# Altium PCB PCB22.PcbDoc (part 8 of 16) (continued)
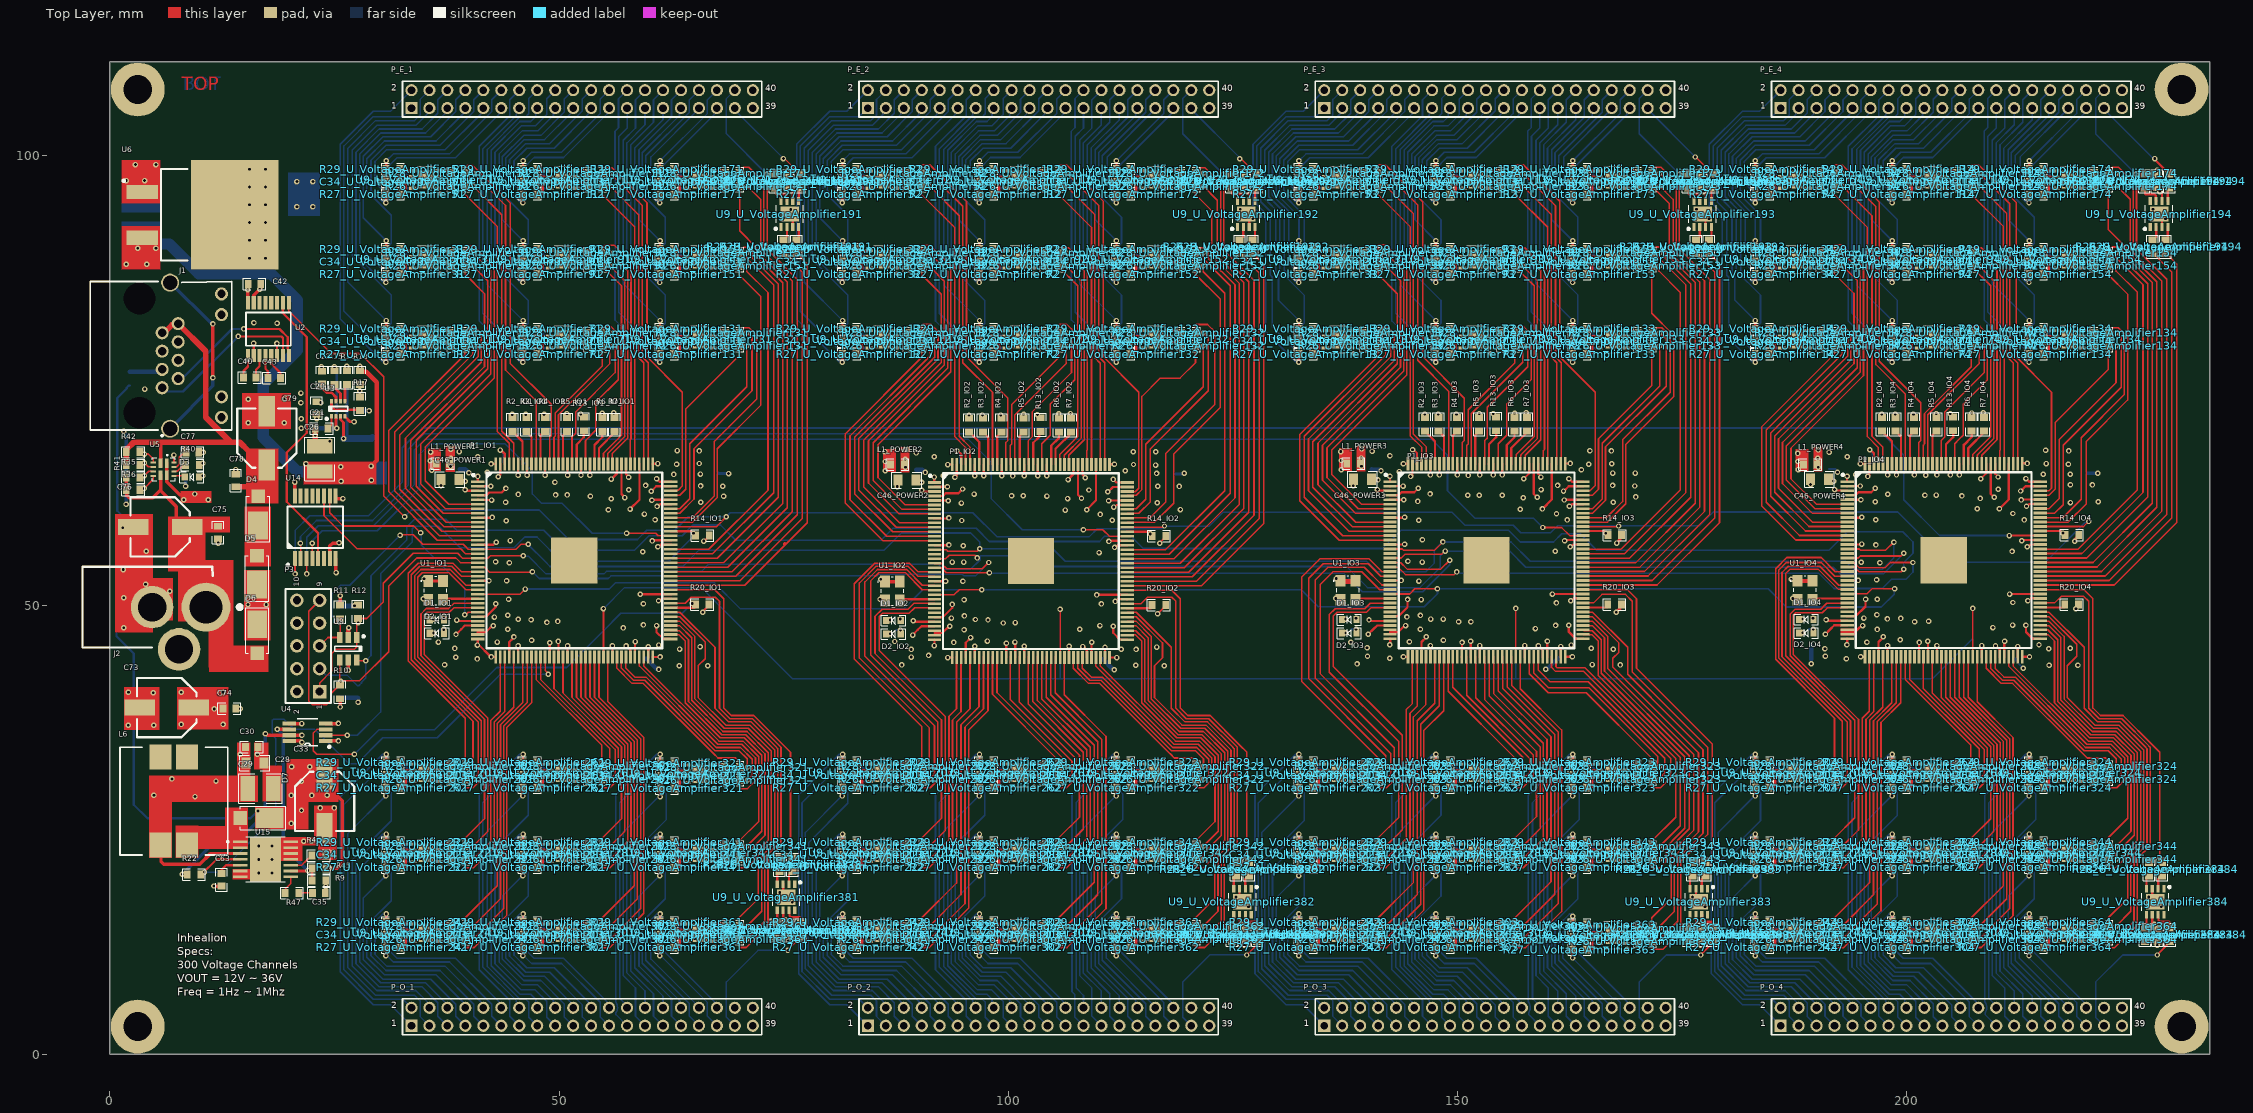
[diagram p0: Top Layer view]
## Nets (pads, with @x,y where several pads share a name; then routed paths per layer and width w, separated by ;. In a path a pad name is that pad's centre, name@x,y a point inside that pad or via, vN(x,y) a via of type N, cw(c..) or ccw(c..) an arc to the next point about the centre after c; other vN are vias at no path point) (continued)
GPIO_67_IO4: P1_IO4.70 R28_U_VoltageAmplifier344.1 | length 28.8
  Top Layer w0.178: P1_IO4.70@211.832,44.241 211.832,43.237 220.193,34.876 222.87,34.876 224.606,33.14 224.606,26.295 222.43,24.119 R28_U_VoltageAmplifier344.1@222.43,23.169
GPIO_68_IO1: P1_IO1.74 R26_U_VoltageAmplifier351.1 | length 31.4
  Top Layer w0.178: P1_IO1.74@62.42,46.729 63.323,46.729 64.045,46.007 64.045,39.127 67.941,35.231 70.618,35.231 72.562,33.287 72.562,24.837 v1(70.894,23.169)
  Bottom Layer w0.254: R26_U_VoltageAmplifier351.1@70.03,23.169 v1(70.894,23.169)
GPIO_68_IO2: P1_IO2.74 R26_U_VoltageAmplifier352.1 | length 31.4
  Top Layer w0.178: P1_IO2.74@113.22,46.729 114.123,46.729 114.845,46.007 114.845,39.127 118.741,35.231 121.418,35.231 123.362,33.287 123.362,24.837 v1(121.694,23.169)
  Bottom Layer w0.254: R26_U_VoltageAmplifier352.1@120.83,23.169 v1(121.694,23.169)
GPIO_68_IO3: P1_IO3.74 R26_U_VoltageAmplifier353.1 | length 30.4
  Top Layer w0.178: P1_IO3.74@164.02,46.729 164.923,46.729 165.645,46.007 165.645,42.178 171.812,36.011 174.784,33.039 174.784,25.46 v1(172.494,23.169)
  Bottom Layer w0.254: R26_U_VoltageAmplifier353.1@171.63,23.169 v1(172.494,23.169)
GPIO_68_IO4: P1_IO4.74 R26_U_VoltageAmplifier354.1 | length 31.4
  Top Layer w0.178: P1_IO4.74@214.82,46.729 215.723,46.729 216.445,46.007 216.445,39.127 220.341,35.231 223.018,35.231 224.962,33.287 224.962,24.837 v1(223.294,23.169)
  Bottom Layer w0.254: R26_U_VoltageAmplifier354.1@222.43,23.169 v1(223.294,23.169)
GPIO_69_IO1: P1_IO1.75 R28_U_VoltageAmplifier351.1 | length 33.7
  Top Layer w0.178: P1_IO1.75@62.42,47.229 62.481,47.168 63.387,47.168 64.401,46.154 64.401,39.274 68.088,35.587 70.765,35.587 72.917,33.435 72.917,24.385 70.894,22.361 v1(70.894,21.722)
  Bottom Layer w0.254: R28_U_VoltageAmplifier351.1@70.03,21.722 v1(70.894,21.722)
GPIO_69_IO2: P1_IO2.75 R28_U_VoltageAmplifier352.1 | length 33.7
  Top Layer w0.178: P1_IO2.75@113.22,47.229 113.281,47.168 114.187,47.168 115.201,46.154 115.201,39.274 118.888,35.587 121.565,35.587 123.717,33.435 123.717,24.385 121.694,22.361 v1(121.694,21.722)
  Bottom Layer w0.254: R28_U_VoltageAmplifier352.1@120.83,21.722 v1(121.694,21.722)
GPIO_69_IO3: P1_IO3.75 R28_U_VoltageAmplifier353.1 | length 32.7
  Top Layer w0.178: P1_IO3.75@164.02,47.229 164.081,47.168 164.987,47.168 166.001,46.154 166.001,42.415 175.292,33.124 175.292,25.16 172.494,22.361 v1(172.494,21.722)
  Bottom Layer w0.254: R28_U_VoltageAmplifier353.1@171.63,21.722 v1(172.494,21.722)
GPIO_69_IO4: P1_IO4.75 R28_U_VoltageAmplifier354.1 | length 33.6
  Top Layer w0.178: P1_IO4.75@214.845,47.255 215.7,47.255 216.801,46.154 216.801,39.274 220.488,35.587 223.165,35.587 225.317,33.435 225.317,24.385 223.294,22.361 v1(223.294,21.722)
  Bottom Layer w0.254: R28_U_VoltageAmplifier354.1@222.43,21.722 v1(223.294,21.722)
GPIO_70_IO1: P1_IO1.81 R26_U_VoltageAmplifier361.1 | length 52
  Top Layer w0.178: P1_IO1.81@62.42,50.229 64.03,50.229 64.697,50.896 67.388,50.896 67.85,50.434 67.85,38.528 69.013,37.365 71.516,37.365 74.556,34.325 74.556,34.318 74.695,34.178 74.695,23.237 73.251,21.793 73.251,14.328 70.826,11.903 70.134,11.903 70.03,12.008 R26_U_VoltageAmplifier361.1@70.03,12.832
GPIO_70_IO2: P1_IO2.81 R26_U_VoltageAmplifier362.1 | length 52.1
  Top Layer w0.178: P1_IO2.81@113.248,50.163 113.265,50.18 114.781,50.18 115.497,50.896 118.188,50.896 118.65,50.434 118.65,38.528 119.813,37.365 122.316,37.365 125.356,34.325 125.356,34.318 125.495,34.178 125.495,23.237 124.051,21.793 124.051,14.096 121.858,11.903 120.934,11.903 120.83,12.008 R26_U_VoltageAmplifier362.1@120.83,12.832
GPIO_70_IO3: P1_IO3.81 R26_U_VoltageAmplifier363.1 | length 52.5
  Top Layer w0.178: P1_IO3.81@163.969,50.251 164.048,50.251 165.134,50.251 166.079,51.196 168.688,51.196 169.45,50.434 169.45,42.56 177.832,34.178 177.832,24.473 174.851,21.492 174.851,13.685 174.302,13.136 174.302,13.122 172.875,11.695 171.723,11.695 171.618,11.799 R26_U_VoltageAmplifier363.1@171.618,12.566
  Top Layer w0.254: R26_U_VoltageAmplifier363.1@171.618,12.566 R26_U_VoltageAmplifier363.1@171.63,12.578
GPIO_70_IO4: P1_IO4.81 R26_U_VoltageAmplifier364.1 | length 52.1
  Top Layer w0.178: P1_IO4.81@214.845,50.255 216.456,50.255 217.212,51.011 219.673,51.011 220.25,50.434 220.25,38.528 221.413,37.365 223.916,37.365 226.956,34.325 226.956,34.318 227.095,34.178 227.095,23.237 225.651,21.793 225.651,14.381 223.162,11.892 222.523,11.892 222.418,11.996 R26_U_VoltageAmplifier364.1@222.418,12.82
  Top Layer w0.254: R26_U_VoltageAmplifier364.1@222.418,12.82 R26_U_VoltageAmplifier364.1@222.43,12.832
GPIO_71_IO1: P1_IO1.77 R28_U_VoltageAmplifier361.1 | length 42.2
  Top Layer w0.178: P1_IO1.77@62.42,48.229 63.403,48.229 65.112,46.521 65.112,39.569 68.383,36.298 71.06,36.298 73.628,33.729 73.628,23.679 72.184,22.235 72.184,17.35 70.03,15.196 R28_U_VoltageAmplifier361.1@70.03,14.279
  Top Layer w0.254: R28_U_VoltageAmplifier361.1@70.03,14.279 R28_U_VoltageAmplifier361.1@70.042,14.291
GPIO_71_IO2: P1_IO2.77 R28_U_VoltageAmplifier362.1 | length 42.3
  Top Layer w0.178: P1_IO2.77@113.22,48.229 114.203,48.229 115.912,46.521 115.912,39.569 119.183,36.298 121.86,36.298 124.428,33.729 124.428,23.679 122.984,22.235 122.984,17.35 120.83,15.196 R28_U_VoltageAmplifier362.1@120.83,14.279
  Top Layer w0.254: R28_U_VoltageAmplifier362.1@120.83,14.279 120.842,14.291 R28_U_VoltageAmplifier362.1@120.83,14.279
GPIO_71_IO3: P1_IO3.77 R28_U_VoltageAmplifier363.1 | length 41.8
  Top Layer w0.178: P1_IO3.77@164.02,48.229 165.003,48.229 166.712,46.521 166.712,42.949 176.308,33.353 176.308,24.971 173.784,22.447 173.784,17.35 171.63,15.196 R28_U_VoltageAmplifier363.1@171.63,14.025
GPIO_71_IO4: P1_IO4.77 R28_U_VoltageAmplifier364.1 | length 42.2
  Top Layer w0.178: P1_IO4.77@214.82,48.229 215.803,48.229 217.512,46.521 217.512,39.569 220.783,36.298 223.46,36.298 226.028,33.729 226.028,23.679 224.584,22.235 224.584,17.35 222.43,15.196 R28_U_VoltageAmplifier364.1@222.43,14.279
GPIO_72_IO1: P1_IO1.78 R26_U_VoltageAmplifier371.1 | length 44.2
  Top Layer w0.178: P1_IO1.78@62.42,48.729 63.424,48.729 66.255,45.899 66.255,44.051 65.467,43.264 65.467,39.716 68.53,36.654 71.207,36.654 73.984,33.876 73.984,23.532 72.54,22.088 72.54,15.926 v1(70.894,14.279)
  Bottom Layer w0.254: R26_U_VoltageAmplifier371.1@70.03,14.279 v1(70.894,14.279)
GPIO_72_IO2: P1_IO2.78 R26_U_VoltageAmplifier372.1 | length 44.3
  Top Layer w0.178: P1_IO2.78@113.22,48.729 114.224,48.729 117.158,45.795 117.158,44.154 116.267,43.264 116.267,39.716 119.33,36.654 122.007,36.654 124.784,33.876 124.784,23.532 123.34,22.088 123.34,15.926 v1(121.694,14.279)
  Bottom Layer w0.254: R26_U_VoltageAmplifier372.1@120.83,14.279 v1(121.694,14.279)
GPIO_72_IO3: P1_IO3.78 R26_U_VoltageAmplifier373.1 | length 43.5
  Top Layer w0.178: P1_IO3.78@164.02,48.729 165.024,48.729 167.958,45.795 167.958,44.76 167.287,44.088 167.287,43.119 176.816,33.589 176.816,24.764 174.14,22.088 174.14,15.926 v1@172.494,14.279
  Bottom Layer w0.254: R26_U_VoltageAmplifier373.1@171.63,14.025 v1(172.494,14.025)
GPIO_72_IO4: P1_IO4.78 R26_U_VoltageAmplifier374.1 | length 44.4
  Top Layer w0.178: P1_IO4.78@214.82,48.729 215.824,48.729 218.909,45.644 218.909,44.306 217.867,43.264 217.867,39.716 220.93,36.654 223.607,36.654 226.384,33.876 226.384,23.532 224.94,22.088 224.94,15.926 v1(223.294,14.279)
  Bottom Layer w0.254: R26_U_VoltageAmplifier374.1@222.43,14.279 v1(223.294,14.279)
GPIO_73_IO1: P1_IO1.79 R28_U_VoltageAmplifier371.1 | length 45.7
  Top Layer w0.178: P1_IO1.79@62.42,49.229 63.427,49.229 67.343,45.313 67.343,38.532 68.866,37.009 71.369,37.009 74.2,34.178 74.2,34.163 74.34,34.024 74.34,23.385 72.895,21.94 72.895,14.833 v1(70.894,12.832)
  Bottom Layer w0.254: R28_U_VoltageAmplifier371.1@70.03,12.832 v1(70.894,12.832)
GPIO_73_IO2: P1_IO2.79 R28_U_VoltageAmplifier372.1 | length 45.7
  Top Layer w0.178: P1_IO2.79@113.22,49.229 114.227,49.229 118.143,45.313 118.143,38.532 119.666,37.009 122.169,37.009 125,34.178 125,34.163 125.14,34.024 125.14,23.385 123.695,21.94 123.695,14.833 v1(121.694,12.832)
  Bottom Layer w0.254: R28_U_VoltageAmplifier372.1@120.83,12.832 v1(121.694,12.832)
GPIO_73_IO3: P1_IO3.79 R28_U_VoltageAmplifier373.1 | length 45.4
  Top Layer w0.178: P1_IO3.79@164.02,49.229 165.027,49.229 168.943,45.313 168.943,42.305 174.239,37.009 177.324,33.924 177.324,24.624 174.495,21.795 174.495,14.833 v1@172.494,12.832
  Bottom Layer w0.254: R28_U_VoltageAmplifier373.1@171.63,12.578 v1(172.494,12.578)
GPIO_73_IO4: P1_IO4.79 R28_U_VoltageAmplifier374.1 | length 45.7
  Top Layer w0.178: P1_IO4.79@214.82,49.229 215.827,49.229 219.743,45.313 219.743,38.532 221.266,37.009 223.769,37.009 226.6,34.178 226.6,34.163 226.74,34.024 226.74,23.385 225.295,21.94 225.295,14.833 v1(223.294,12.832)
  Bottom Layer w0.254: R28_U_VoltageAmplifier374.1@222.43,12.832 v1(223.294,12.832)
GPIO_74_IO1: P1_IO1.84 R26_U_VoltageAmplifier381.1 | length 39.8
  Top Layer w0.178: P1_IO1.84@62.42,51.729 67.315,51.729 68.321,50.724 68.321,38.561 69.161,37.721 71.663,37.721 74.911,34.473 74.911,34.465 75.754,33.622 75.754,22.114 R26_U_VoltageAmplifier381.1@75.988,21.88
GPIO_74_IO2: P1_IO2.84 R26_U_VoltageAmplifier382.1 | length 40.3
  Top Layer w0.178: P1_IO2.84@113.248,51.663 113.253,51.658 118.186,51.658 119.121,50.724 119.121,38.561 119.961,37.721 122.463,37.721 125.711,34.473 125.711,34.465 126.554,33.622 126.554,22.114 126.8,21.868 R26_U_VoltageAmplifier382.1@126.8,21.36
  Top Layer w0.254: R26_U_VoltageAmplifier382.1@126.788,21.372 R26_U_VoltageAmplifier382.1@126.8,21.36
GPIO_74_IO3: P1_IO3.84 R26_U_VoltageAmplifier383.1 | length 39.5
  Top Layer w0.178: P1_IO3.84@164.02,51.729 168.915,51.729 169.921,50.724 169.921,42.982 178.34,34.562 178.34,22.124 177.944,21.728 177.944,21.664 177.652,21.372 R26_U_VoltageAmplifier383.1@177.588,21.372
GPIO_74_IO4: P1_IO4.84 R26_U_VoltageAmplifier384.1 | length 40.3
  Top Layer w0.178: P1_IO4.84@214.82,51.729 219.715,51.729 220.721,50.724 220.721,38.561 221.561,37.721 224.063,37.721 227.311,34.473 227.311,34.465 228.154,33.622 228.154,22.114 228.388,21.88 R26_U_VoltageAmplifier384.1@228.388,21.372
  Top Layer w0.254: R26_U_VoltageAmplifier384.1@228.388,21.372 R26_U_VoltageAmplifier384.1@228.4,21.36
ID0_IO1: P1_IO1.112 R24.1 | length 5.4
  Top Layer w0.254: v1(57.893,60.698) 58.932,61.737 P1_IO1.112@58.932,65.717
ID0_IO2: P1_IO2.112 R30.2 | length 5.4
  Top Layer w0.254: v1(108.721,60.632) 109.76,61.671 P1_IO2.112@109.76,65.651
ID0_IO3: P1_IO3.112 R32.1 | length 5.4
  Top Layer w0.254: v1(159.442,60.72) 160.481,61.759 P1_IO3.112@160.481,65.739
ID0_IO4: P1_IO4.112 R34.2 | length 5.4
  Top Layer w0.254: v1(210.319,60.724) 211.357,61.762 P1_IO4.112@211.357,65.743
ID1_IO1: P1_IO1.123 R23.1 | length 1.2
  Top Layer w0.254: v1(53.432,64.474) P1_IO1.123@53.432,65.717
ID1_IO2: P1_IO2.123 R25.1 | length 1.2
  Top Layer w0.254: v1(104.26,64.408) P1_IO2.123@104.26,65.651
ID1_IO3: P1_IO3.123 R31.2 | length 1.2
  Top Layer w0.254: v1(154.981,64.496) P1_IO3.123@154.981,65.739
ID1_IO4: P1_IO4.123 R33.2 | length 1.2
  Top Layer w0.254: v1(205.857,64.499) P1_IO4.123@205.857,65.743
LED0_IO1: P1_IO1.32 R8_IO1.2 | length 2.4
  Top Layer w0.254: v1(38.594,48.344) 38.709,48.229 P1_IO1.32@40.944,48.229
LED0_IO2: P1_IO2.32 R8_IO2.2 | length 2.4
  Top Layer w0.254: v1(89.422,48.278) 89.537,48.163 P1_IO2.32@91.772,48.163
LED0_IO3: P1_IO3.32 R8_IO3.2 | length 2.4
  Top Layer w0.254: v1(140.143,48.365) 140.258,48.251 P1_IO3.32@142.493,48.251
LED0_IO4: P1_IO4.32 R8_IO4.2 | length 2.4
  Top Layer w0.254: v1(191.02,48.369) 191.134,48.255 P1_IO4.32@193.369,48.255
LED1_IO1: P1_IO1.33 R21_IO1.2 | length 2.8
  Top Layer w0.254: v1(38.518,46.743) 39.1,47.325 39.504,47.729 P1_IO1.33@40.944,47.729
LED1_IO2: P1_IO2.33 R21_IO2.2 | length 2.8
  Top Layer w0.254: v1(89.346,46.677) 89.928,47.259 90.332,47.663 P1_IO2.33@91.772,47.663
LED1_IO3: P1_IO3.33 R21_IO3.2 | length 2.8
  Top Layer w0.254: v1(140.067,46.765) 140.649,47.347 141.053,47.751 P1_IO3.33@142.493,47.751
LED1_IO4: P1_IO4.33 R21_IO4.2 | length 2.8
  Top Layer w0.254: v1(190.943,46.769) 191.525,47.351 191.929,47.755 P1_IO4.33@193.369,47.755
NetC18_1: C18.1 L4.1 U3.3 | length 12
  Top Layer w0.305: U3.3@25.671,71.038 25.671,70.657 26.006,70.323 v1(26.006,68.549)
  Bottom Layer w0.305: v1@26.115,68.658 26.397,68.94 C18.1@26.397,74.636
  Bottom Layer w0.762: v1(26.006,68.549) 29.133,68.549 L4.1@29.242,68.658
NetC18_2: C18.2 R16.2
  other v1: 26.346,76.583
NetC21_2: C21.2 U3.1 | length 1.5
  Top Layer w0.254: C21.2@24.259,69.677 24.671,70.089 U3.1@24.671,71.038
NetC22_2: C22.2 U3.7 | length 2.9
  Top Layer w0.305: C22.2@23.591,74.636 23.591,74.195 24.132,73.655 24.666,73.655 25.171,73.149 U3.7@25.171,72.714
NetC25_2: C25.2 R17.1 R18.1 R19.1 | length 2.8
  Top Layer w0.305: R17.1@27.815,73.187 v1(27.815,73.876) 27.815,74.564 R18.1@27.817,74.567
  Bottom Layer w0.305: R19.1@27.815,73.187 27.815,74.626 C25.2@27.817,74.629
NetC35_2: C35.2 R47.1 | length 1.5
  Top Layer w0.178: R47.1@21.025,17.983 22.535,17.983 C35.2@22.56,17.958
NetC63_2: C63.2 U15.5 | length 2.7
  Top Layer w0.254: C63.2@12.44,20.131 12.44,20.574 12.929,21.063 U15.5@14.514,21.063
NetC77_2: C77.2 U5.11 | length 2.6
  Top Layer w0.178: U5.11@7.129,65.396 7.431,65.396 7.711,65.676 7.711,66.455 C77.2@8.485,67.228
NetD1_IO1_1: D1_IO1.1 R8_IO1.1
  other v1: 37.149,48.524
NetD1_IO2_1: D1_IO2.1 R8_IO2.1
  other v1: 87.977,48.458
NetD1_IO3_1: D1_IO3.1 R8_IO3.1
  other v1: 138.698,48.546
NetD1_IO4_1: D1_IO4.1 R8_IO4.1
  other v1: 189.574,48.549
NetD2_IO1_1: D2_IO1.1 R21_IO1.1 | length 0.5
  Bottom Layer w0.254: R21_IO1.1@36.684,47.297 v1(37.159,47.297)
NetD2_IO2_1: D2_IO2.1 R21_IO2.1 | length 0.5
  Bottom Layer w0.254: R21_IO2.1@87.512,47.231 v1(87.987,47.231)
NetD2_IO3_1: D2_IO3.1 R21_IO3.1 | length 0.5
  Bottom Layer w0.254: R21_IO3.1@138.233,47.319 v1(138.708,47.319)
NetD2_IO4_1: D2_IO4.1 R21_IO4.1 | length 0.5
  Bottom Layer w0.254: R21_IO4.1@189.11,47.323 v1(189.585,47.323)
NetD3_1: D3.1 R37.2
  other v1: 10.351,64.416
NetD3_2: D3.2 U5.9 | length 1.2
  Top Layer w0.178: U5.9@7.129,64.396 8.259,64.396 D3.2@8.318,64.455
NetD4_1: D4.1 D5.2
NetD7_2: D7.2 L6.2 U15.1 U15.2
NetP1_IO1_15: P1_IO1.15 R1_IO1.2 | length 2.2
  Top Layer w0.254: P1_IO1.15@40.944,56.729 42.667,56.729 42.937,56.999 v1(42.994,56.999)
NetP1_IO1_121: P1_IO1.121 R7_IO1.2 | length 4.4
  Top Layer w0.254: P1_IO1.121@54.432,65.717 54.432,67.471 56.311,69.349 R7_IO1.2@56.323,69.349
NetP1_IO1_122: P1_IO1.122 R6_IO1.2 | length 4
  Top Layer w0.254: P1_IO1.122@53.932,65.717 53.932,67.818 54.799,68.685 R6_IO1.2@54.799,69.349
NetP1_IO1_126: P1_IO1.126 R13_IO1.2 | length 4
  Top Layer w0.254: P1_IO1.126@51.932,65.717 51.95,65.735 51.95,67.891 52.742,68.683 R13_IO1.2@52.742,69.4
NetP1_IO1_129: P1_IO1.129 R5_IO1.2 | length 3.8
  Top Layer w0.254: P1_IO1.129@50.432,65.717 50.432,68.919 R5_IO1.2@50.862,69.349
NetP1_IO1_134: P1_IO1.134 R4_IO1.2 | length 3.8
  Top Layer w0.254: P1_IO1.134@47.932,65.717 47.932,68.883 R4_IO1.2@48.399,69.349
NetP1_IO1_136: P1_IO1.136 R3_IO1.2 | length 3.9
  Top Layer w0.254: R3_IO1.2@46.341,69.349 46.932,68.759 P1_IO1.136@46.932,65.717
NetP1_IO1_138: P1_IO1.138 R2_IO1.2 | length 4.1
  Top Layer w0.254: R2_IO1.2@44.817,69.349 45.932,68.235 P1_IO1.138@45.932,65.717
NetP1_IO2_15: P1_IO2.15 R1_IO2.2 | length 1.6
  Top Layer w0.254: P1_IO2.15@91.772,56.663 93.34,56.663 v1(93.385,56.708)
NetP1_IO2_121: P1_IO2.121 R7_IO2.2 | length 4.4
  Top Layer w0.254: P1_IO2.121@105.26,65.651 105.26,67.405 107.139,69.283 R7_IO2.2@107.151,69.283
NetP1_IO2_122: P1_IO2.122 R6_IO2.2 | length 4
  Top Layer w0.254: P1_IO2.122@104.76,65.651 104.76,67.752 105.627,68.619 R6_IO2.2@105.627,69.283
NetP1_IO2_126: P1_IO2.126 R13_IO2.2 | length 4
  Top Layer w0.254: P1_IO2.126@102.76,65.651 102.778,65.669 102.778,68.075 103.424,68.721 103.424,69.188 R13_IO2.2@103.57,69.334
NetP1_IO2_129: P1_IO2.129 R5_IO2.2 | length 3.8
  Top Layer w0.254: P1_IO2.129@101.26,65.651 101.26,68.853 R5_IO2.2@101.69,69.283
NetP1_IO2_134: P1_IO2.134 R4_IO2.2 | length 3.8
  Top Layer w0.254: P1_IO2.134@98.76,65.651 98.76,68.817 R4_IO2.2@99.227,69.283
NetP1_IO2_136: P1_IO2.136 R3_IO2.2 | length 3.9
  Top Layer w0.254: R3_IO2.2@97.169,69.283 97.76,68.693 P1_IO2.136@97.76,65.651
NetP1_IO2_138: P1_IO2.138 R2_IO2.2 | length 4.1
  Top Layer w0.254: R2_IO2.2@95.645,69.283 96.76,68.169 P1_IO2.138@96.76,65.651
NetP1_IO3_15: P1_IO3.15 R1_IO3.2 | length 1.6
  Top Layer w0.254: P1_IO3.15@142.493,56.751 144.061,56.751 v1(144.106,56.795)
NetP1_IO3_121: P1_IO3.121 R7_IO3.2 | length 4.4
  Top Layer w0.254: P1_IO3.121@155.981,65.739 155.981,67.492 157.86,69.371 R7_IO3.2@157.873,69.371
NetP1_IO3_122: P1_IO3.122 R6_IO3.2 | length 4
  Top Layer w0.254: P1_IO3.122@155.481,65.739 155.481,67.84 156.349,68.707 R6_IO3.2@156.349,69.371
NetP1_IO3_126: P1_IO3.126 R13_IO3.2 | length 4
  Top Layer w0.254: P1_IO3.126@153.481,65.739 153.499,65.757 153.499,67.913 154.291,68.705 R13_IO3.2@154.291,69.422
NetP1_IO3_129: P1_IO3.129 R5_IO3.2 | length 3.8
  Top Layer w0.254: P1_IO3.129@151.981,65.739 151.981,68.941 R5_IO3.2@152.412,69.371
NetP1_IO3_134: P1_IO3.134 R4_IO3.2 | length 3.8
  Top Layer w0.254: P1_IO3.134@149.481,65.739 149.481,68.904 R4_IO3.2@149.948,69.371
NetP1_IO3_136: P1_IO3.136 R3_IO3.2 | length 3.9
  Top Layer w0.254: R3_IO3.2@147.89,69.371 148.481,68.78 P1_IO3.136@148.481,65.739
NetP1_IO3_138: P1_IO3.138 R2_IO3.2 | length 4.1
  Top Layer w0.254: R2_IO3.2@146.366,69.371 147.481,68.256 P1_IO3.138@147.481,65.739
NetP1_IO4_15: P1_IO4.15 R1_IO4.2 | length 1.6
  Top Layer w0.254: P1_IO4.15@193.369,56.755 194.938,56.755 v1(194.982,56.799)
NetP1_IO4_121: P1_IO4.121 R7_IO4.2 | length 4.4
  Top Layer w0.254: P1_IO4.121@206.857,65.743 206.857,67.496 208.736,69.375 R7_IO4.2@208.749,69.375
NetP1_IO4_122: P1_IO4.122 R6_IO4.2 | length 4
  Top Layer w0.254: P1_IO4.122@206.357,65.743 206.357,67.843 207.225,68.711 R6_IO4.2@207.225,69.375
NetP1_IO4_126: P1_IO4.126 R13_IO4.2 | length 4
  Top Layer w0.254: P1_IO4.126@204.357,65.743 204.375,65.76 204.375,67.917 205.167,68.709 R13_IO4.2@205.167,69.426
NetP1_IO4_129: P1_IO4.129 R5_IO4.2 | length 3.8
  Top Layer w0.254: P1_IO4.129@202.857,65.743 202.857,68.944 R5_IO4.2@203.288,69.375
NetP1_IO4_134: P1_IO4.134 R4_IO4.2 | length 3.8
  Top Layer w0.254: P1_IO4.134@200.357,65.743 200.357,68.908 R4_IO4.2@200.824,69.375
NetP1_IO4_136: P1_IO4.136 R3_IO4.2 | length 3.9
  Top Layer w0.254: R3_IO4.2@198.767,69.375 199.357,68.784 P1_IO4.136@199.357,65.743
NetP1_IO4_138: P1_IO4.138 R2_IO4.2 | length 4.1
  Top Layer w0.254: R2_IO4.2@197.243,69.375 198.357,68.26 P1_IO4.138@198.357,65.743
NetR15_1: R15.1 U3.6 | length 2.1
  Top Layer w0.305: R15.1@24.997,74.574 24.997,74.217 25.671,73.543 U3.6@25.671,72.714
NetR16_1: R16.1 U3.5 | length 2
  Top Layer w0.305: U3.5@26.171,72.714 26.171,74.348 R16.1@26.397,74.574
NetR17_2: R17.2 U3.8 | length 4
  Top Layer w0.305: U3.8@24.671,72.714 24.67,72.713 24.67,72.081 24.987,71.764 27.713,71.764 R17.2@27.815,71.663
NetR26_U_VoltageAmplifier11_2: R26_U_VoltageAmplifier11.2 U9_U_VoltageAmplifier11.2 | length 1.6
  Top Layer w0.254: U9_U_VoltageAmplifier11.2@36.608,79.278 37.683,79.278 38.026,78.935 R26_U_VoltageAmplifier11.2@38.026,78.872
NetR26_U_VoltageAmplifier12_2: R26_U_VoltageAmplifier12.2 U9_U_VoltageAmplifier12.2 | length 1.6
  Top Layer w0.254: U9_U_VoltageAmplifier12.2@87.408,79.278 88.483,79.278 88.826,78.935 R26_U_VoltageAmplifier12.2@88.826,78.872
NetR26_U_VoltageAmplifier13_2: R26_U_VoltageAmplifier13.2 U9_U_VoltageAmplifier13.2 | length 1.6
  Top Layer w0.254: U9_U_VoltageAmplifier13.2@138.208,79.278 139.283,79.278 139.626,78.935 R26_U_VoltageAmplifier13.2@139.626,78.872
NetR26_U_VoltageAmplifier14_2: R26_U_VoltageAmplifier14.2 U9_U_VoltageAmplifier14.2 | length 1.6
  Top Layer w0.254: U9_U_VoltageAmplifier14.2@189.008,79.278 190.083,79.278 190.426,78.935 R26_U_VoltageAmplifier14.2@190.426,78.872
NetR26_U_VoltageAmplifier21_2: R26_U_VoltageAmplifier21.2 U9_U_VoltageAmplifier21.2 | length 1.6
  Bottom Layer w0.254: U9_U_VoltageAmplifier21.2@36.608,79.928 37.698,79.928 38.026,80.256 R26_U_VoltageAmplifier21.2@38.026,80.319
NetR26_U_VoltageAmplifier22_2: R26_U_VoltageAmplifier22.2 U9_U_VoltageAmplifier22.2 | length 1.6
  Bottom Layer w0.254: U9_U_VoltageAmplifier22.2@87.408,79.928 88.498,79.928 88.826,80.256 R26_U_VoltageAmplifier22.2@88.826,80.319
NetR26_U_VoltageAmplifier23_2: R26_U_VoltageAmplifier23.2 U9_U_VoltageAmplifier23.2 | length 1.6
  Bottom Layer w0.254: U9_U_VoltageAmplifier23.2@138.208,79.928 139.298,79.928 139.626,80.256 R26_U_VoltageAmplifier23.2@139.626,80.319
NetR26_U_VoltageAmplifier24_2: R26_U_VoltageAmplifier24.2 U9_U_VoltageAmplifier24.2 | length 1.6
  Bottom Layer w0.254: U9_U_VoltageAmplifier24.2@189.008,79.928 190.098,79.928 190.426,80.256 R26_U_VoltageAmplifier24.2@190.426,80.319
NetR26_U_VoltageAmplifier31_2: R26_U_VoltageAmplifier31.2 U9_U_VoltageAmplifier31.2 | length 1.6
  Top Layer w0.254: U9_U_VoltageAmplifier31.2@36.608,88.168 37.683,88.168 38.026,87.825 R26_U_VoltageAmplifier31.2@38.026,87.762
NetR26_U_VoltageAmplifier32_2: R26_U_VoltageAmplifier32.2 U9_U_VoltageAmplifier32.2 | length 1.6
  Top Layer w0.254: U9_U_VoltageAmplifier32.2@87.408,88.168 88.483,88.168 88.826,87.825 R26_U_VoltageAmplifier32.2@88.826,87.762
NetR26_U_VoltageAmplifier33_2: R26_U_VoltageAmplifier33.2 U9_U_VoltageAmplifier33.2 | length 1.6
  Top Layer w0.254: U9_U_VoltageAmplifier33.2@138.208,88.168 139.283,88.168 139.626,87.825 R26_U_VoltageAmplifier33.2@139.626,87.762
NetR26_U_VoltageAmplifier34_2: R26_U_VoltageAmplifier34.2 U9_U_VoltageAmplifier34.2 | length 1.6
  Top Layer w0.254: U9_U_VoltageAmplifier34.2@189.008,88.168 190.083,88.168 190.426,87.825 R26_U_VoltageAmplifier34.2@190.426,87.762
NetR26_U_VoltageAmplifier41_2: R26_U_VoltageAmplifier41.2 U9_U_VoltageAmplifier41.2 | length 1.6
  Bottom Layer w0.254: U9_U_VoltageAmplifier41.2@36.608,88.818 37.698,88.818 38.026,89.146 R26_U_VoltageAmplifier41.2@38.026,89.209
NetR26_U_VoltageAmplifier42_2: R26_U_VoltageAmplifier42.2 U9_U_VoltageAmplifier42.2 | length 1.6
  Bottom Layer w0.254: U9_U_VoltageAmplifier42.2@87.408,88.818 88.498,88.818 88.826,89.146 R26_U_VoltageAmplifier42.2@88.826,89.209
NetR26_U_VoltageAmplifier43_2: R26_U_VoltageAmplifier43.2 U9_U_VoltageAmplifier43.2 | length 1.6
  Bottom Layer w0.254: U9_U_VoltageAmplifier43.2@138.208,88.818 139.298,88.818 139.626,89.146 R26_U_VoltageAmplifier43.2@139.626,89.209
NetR26_U_VoltageAmplifier44_2: R26_U_VoltageAmplifier44.2 U9_U_VoltageAmplifier44.2 | length 1.6
  Bottom Layer w0.254: U9_U_VoltageAmplifier44.2@189.008,88.818 190.098,88.818 190.426,89.146 R26_U_VoltageAmplifier44.2@190.426,89.209
NetR26_U_VoltageAmplifier51_2: R26_U_VoltageAmplifier51.2 U9_U_VoltageAmplifier51.2 | length 1.6
  Top Layer w0.254: U9_U_VoltageAmplifier51.2@36.608,97.058 37.683,97.058 38.026,96.715 R26_U_VoltageAmplifier51.2@38.026,96.652
NetR26_U_VoltageAmplifier52_2: R26_U_VoltageAmplifier52.2 U9_U_VoltageAmplifier52.2 | length 1.6
  Top Layer w0.254: U9_U_VoltageAmplifier52.2@87.408,97.058 88.483,97.058 88.826,96.715 R26_U_VoltageAmplifier52.2@88.826,96.652
NetR26_U_VoltageAmplifier53_2: R26_U_VoltageAmplifier53.2 U9_U_VoltageAmplifier53.2 | length 1.6
  Top Layer w0.254: U9_U_VoltageAmplifier53.2@138.208,97.058 139.283,97.058 139.626,96.715 R26_U_VoltageAmplifier53.2@139.626,96.652
NetR26_U_VoltageAmplifier54_2: R26_U_VoltageAmplifier54.2 U9_U_VoltageAmplifier54.2 | length 1.6
  Top Layer w0.254: U9_U_VoltageAmplifier54.2@189.008,97.058 190.083,97.058 190.426,96.715 R26_U_VoltageAmplifier54.2@190.426,96.652
NetR26_U_VoltageAmplifier61_2: R26_U_VoltageAmplifier61.2 U9_U_VoltageAmplifier61.2 | length 1.6
  Bottom Layer w0.254: U9_U_VoltageAmplifier61.2@36.608,97.708 37.698,97.708 38.026,98.036 R26_U_VoltageAmplifier61.2@38.026,98.099
NetR26_U_VoltageAmplifier62_2: R26_U_VoltageAmplifier62.2 U9_U_VoltageAmplifier62.2 | length 1.6
  Bottom Layer w0.254: U9_U_VoltageAmplifier62.2@87.408,97.708 88.498,97.708 88.826,98.036 R26_U_VoltageAmplifier62.2@88.826,98.099
NetR26_U_VoltageAmplifier63_2: R26_U_VoltageAmplifier63.2 U9_U_VoltageAmplifier63.2 | length 1.6
  Bottom Layer w0.254: U9_U_VoltageAmplifier63.2@138.208,97.708 139.298,97.708 139.626,98.036 R26_U_VoltageAmplifier63.2@139.626,98.099
NetR26_U_VoltageAmplifier64_2: R26_U_VoltageAmplifier64.2 U9_U_VoltageAmplifier64.2 | length 1.6
  Bottom Layer w0.254: U9_U_VoltageAmplifier64.2@189.008,97.708 190.098,97.708 190.426,98.036 R26_U_VoltageAmplifier64.2@190.426,98.099
NetR26_U_VoltageAmplifier71_2: R26_U_VoltageAmplifier71.2 U9_U_VoltageAmplifier71.2 | length 1.6
  Top Layer w0.254: U9_U_VoltageAmplifier71.2@51.848,79.278 52.923,79.278 53.266,78.935 R26_U_VoltageAmplifier71.2@53.266,78.872
NetR26_U_VoltageAmplifier72_2: R26_U_VoltageAmplifier72.2 U9_U_VoltageAmplifier72.2 | length 1.6
  Top Layer w0.254: U9_U_VoltageAmplifier72.2@102.648,79.278 103.723,79.278 104.066,78.935 R26_U_VoltageAmplifier72.2@104.066,78.872
NetR26_U_VoltageAmplifier73_2: R26_U_VoltageAmplifier73.2 U9_U_VoltageAmplifier73.2 | length 1.6
  Top Layer w0.254: U9_U_VoltageAmplifier73.2@153.448,79.278 154.523,79.278 154.866,78.935 R26_U_VoltageAmplifier73.2@154.866,78.872
NetR26_U_VoltageAmplifier74_2: R26_U_VoltageAmplifier74.2 U9_U_VoltageAmplifier74.2 | length 1.6
  Top Layer w0.254: U9_U_VoltageAmplifier74.2@204.248,79.278 205.323,79.278 205.666,78.935 R26_U_VoltageAmplifier74.2@205.666,78.872
NetR26_U_VoltageAmplifier81_2: R26_U_VoltageAmplifier81.2 U9_U_VoltageAmplifier81.2 | length 1.6
  Bottom Layer w0.254: U9_U_VoltageAmplifier81.2@51.848,79.928 52.938,79.928 53.266,80.256 R26_U_VoltageAmplifier81.2@53.266,80.319
NetR26_U_VoltageAmplifier82_2: R26_U_VoltageAmplifier82.2 U9_U_VoltageAmplifier82.2 | length 1.6
  Bottom Layer w0.254: U9_U_VoltageAmplifier82.2@102.648,79.928 103.738,79.928 104.066,80.256 R26_U_VoltageAmplifier82.2@104.066,80.319
NetR26_U_VoltageAmplifier83_2: R26_U_VoltageAmplifier83.2 U9_U_VoltageAmplifier83.2 | length 1.6
  Bottom Layer w0.254: U9_U_VoltageAmplifier83.2@153.448,79.928 154.538,79.928 154.866,80.256 R26_U_VoltageAmplifier83.2@154.866,80.319
NetR26_U_VoltageAmplifier84_2: R26_U_VoltageAmplifier84.2 U9_U_VoltageAmplifier84.2 | length 1.6
  Bottom Layer w0.254: U9_U_VoltageAmplifier84.2@204.248,79.928 205.338,79.928 205.666,80.256 R26_U_VoltageAmplifier84.2@205.666,80.319
NetR26_U_VoltageAmplifier91_2: R26_U_VoltageAmplifier91.2 U9_U_VoltageAmplifier91.2 | length 1.6
  Top Layer w0.254: U9_U_VoltageAmplifier91.2@51.848,88.168 52.923,88.168 53.266,87.825 R26_U_VoltageAmplifier91.2@53.266,87.762
NetR26_U_VoltageAmplifier92_2: R26_U_VoltageAmplifier92.2 U9_U_VoltageAmplifier92.2 | length 1.6
  Top Layer w0.254: U9_U_VoltageAmplifier92.2@102.648,88.168 103.723,88.168 104.066,87.825 R26_U_VoltageAmplifier92.2@104.066,87.762
NetR26_U_VoltageAmplifier93_2: R26_U_VoltageAmplifier93.2 U9_U_VoltageAmplifier93.2 | length 1.6
  Top Layer w0.254: U9_U_VoltageAmplifier93.2@153.448,88.168 154.523,88.168 154.866,87.825 R26_U_VoltageAmplifier93.2@154.866,87.762
NetR26_U_VoltageAmplifier94_2: R26_U_VoltageAmplifier94.2 U9_U_VoltageAmplifier94.2 | length 1.6
  Top Layer w0.254: U9_U_VoltageAmplifier94.2@204.248,88.168 205.323,88.168 205.666,87.825 R26_U_VoltageAmplifier94.2@205.666,87.762
NetR26_U_VoltageAmplifier101_2: R26_U_VoltageAmplifier101.2 U9_U_VoltageAmplifier101.2 | length 1.6
  Bottom Layer w0.254: U9_U_VoltageAmplifier101.2@51.848,88.818 52.938,88.818 53.266,89.146 R26_U_VoltageAmplifier101.2@53.266,89.209